# KiCad board oibus-mini-CCC_PANEL.kicad_pcb (continued)
## Nets (continued)
+BATT: BT1.1 BT1#2.1 BT1#3.1 BT1#4.1 BT1#5.1 BT1#6.1 BT1#7.1 BT1#8.1 BT1#9.1 BT1#10.1 BT1#11.1 BT1#12.1 BT1#13.1 BT1#14.1 BT1#15.1 BT1#16.1 BT1#17.1 BT1#18.1 BT1#19.1 BT1#20.1 BT1#21.1 BT1#22.1 BT1#23.1 BT1#24.1 BT1#25.1 BT1#26.1 BT1#27.1 BT1#28.1 BT1#29.1 BT1#30.1 BT1#31.1 BT1#32.1 C8.2 C8#2.2 C8#3.2 C8#4.2 C8#5.2 C8#6.2 C8#7.2 C8#8.2 C8#9.2 C8#10.2 C8#11.2 C8#12.2 C8#13.2 C8#14.2 C8#15.2 C8#16.2 C8#17.2 C8#18.2 C8#19.2 C8#20.2 C8#21.2 C8#22.2 C8#23.2 C8#24.2 C8#25.2 C8#26.2 C8#27.2 C8#28.2 C8#29.2 C8#30.2 C8#31.2 C8#32.2 C24.2 C24#2.2 C24#3.2 C24#4.2 C24#5.2 C24#6.2 C24#7.2 C24#8.2 C24#9.2 C24#10.2 C24#11.2 C24#12.2 C24#13.2 C24#14.2 C24#15.2 C24#16.2 C24#17.2 C24#18.2 C24#19.2 C24#20.2 C24#21.2 C24#22.2 C24#23.2 C24#24.2 C24#25.2 C24#26.2 C24#27.2 C24#28.2 C24#29.2 C24#30.2 C24#31.2 C24#32.2 Q1.2 Q1#2.2 Q1#3.2 Q1#4.2 Q1#5.2 Q1#6.2 Q1#7.2 Q1#8.2 Q1#9.2 Q1#10.2 Q1#11.2 Q1#12.2 Q1#13.2 Q1#14.2 Q1#15.2 Q1#16.2 Q1#17.2 Q1#18.2 Q1#19.2 Q1#20.2 Q1#21.2 Q1#22.2 Q1#23.2 Q1#24.2 Q1#25.2 Q1#26.2 Q1#27.2 Q1#28.2 Q1#29.2 Q1#30.2 Q1#31.2 Q1#32.2 R6.1 R6#2.1 R6#3.1 R6#4.1 R6#5.1 R6#6.1 R6#7.1 R6#8.1 R6#9.1 R6#10.1 R6#11.1 R6#12.1 R6#13.1 R6#14.1 R6#15.1 R6#16.1 R6#17.1 R6#18.1 R6#19.1 R6#20.1 R6#21.1 R6#22.1 R6#23.1 R6#24.1 R6#25.1 R6#26.1 R6#27.1 R6#28.1 R6#29.1 R6#30.1 R6#31.1 R6#32.1 R13.1 R13#2.1 R13#3.1 R13#4.1 R13#5.1 R13#6.1 R13#7.1 R13#8.1 R13#9.1 R13#10.1 R13#11.1 R13#12.1 R13#13.1 R13#14.1 R13#15.1 R13#16.1 R13#17.1 R13#18.1 R13#19.1 R13#20.1 R13#21.1 R13#22.1 R13#23.1 R13#24.1 R13#25.1 R13#26.1 R13#27.1 R13#28.1 R13#29.1 R13#30.1 R13#31.1 R13#32.1 U4.3 U4#2.3 U4#3.3 U4#4.3 U4#5.3 U4#6.3 U4#7.3 U4#8.3 U4#9.3 U4#10.3 U4#11.3 U4#12.3 U4#13.3 U4#14.3 U4#15.3 U4#16.3 U4#17.3 U4#18.3 U4#19.3 U4#20.3 U4#21.3 U4#22.3 U4#23.3 U4#24.3 U4#25.3 U4#26.3 U4#27.3 U4#28.3 U4#29.3 U4#30.3 U4#31.3 U4#32.3
/BAT_MEAS: C12.2 C12#2.2 C12#3.2 C12#4.2 C12#5.2 C12#6.2 C12#7.2 C12#8.2 C12#9.2 C12#10.2 C12#11.2 C12#12.2 C12#13.2 C12#14.2 C12#15.2 C12#16.2 C12#17.2 C12#18.2 C12#19.2 C12#20.2 C12#21.2 C12#22.2 C12#23.2 C12#24.2 C12#25.2 C12#26.2 C12#27.2 C12#28.2 C12#29.2 C12#30.2 C12#31.2 C12#32.2 R6.2 R6#2.2 R6#3.2 R6#4.2 R6#5.2 R6#6.2 R6#7.2 R6#8.2 R6#9.2 R6#10.2 R6#11.2 R6#12.2 R6#13.2 R6#14.2 R6#15.2 R6#16.2 R6#17.2 R6#18.2 R6#19.2 R6#20.2 R6#21.2 R6#22.2 R6#23.2 R6#24.2 R6#25.2 R6#26.2 R6#27.2 R6#28.2 R6#29.2 R6#30.2 R6#31.2 R6#32.2 R7.1 R7#2.1 R7#3.1 R7#4.1 R7#5.1 R7#6.1 R7#7.1 R7#8.1 R7#9.1 R7#10.1 R7#11.1 R7#12.1 R7#13.1 R7#14.1 R7#15.1 R7#16.1 R7#17.1 R7#18.1 R7#19.1 R7#20.1 R7#21.1 R7#22.1 R7#23.1 R7#24.1 R7#25.1 R7#26.1 R7#27.1 R7#28.1 R7#29.1 R7#30.1 R7#31.1 R7#32.1 U8.17 U8#2.17 U8#3.17 U8#4.17 U8#5.17 U8#6.17 U8#7.17 U8#8.17 U8#9.17 U8#10.17 U8#11.17 U8#12.17 U8#13.17 U8#14.17 U8#15.17 U8#16.17 U8#17.17 U8#18.17 U8#19.17 U8#20.17 U8#21.17 U8#22.17 U8#23.17 U8#24.17 U8#25.17 U8#26.17 U8#27.17 U8#28.17 U8#29.17 U8#30.17 U8#31.17 U8#32.17
/BLUE: R15.1 R15#2.1 R15#3.1 R15#4.1 R15#5.1 R15#6.1 R15#7.1 R15#8.1 R15#9.1 R15#10.1 R15#11.1 R15#12.1 R15#13.1 R15#14.1 R15#15.1 R15#16.1 R15#17.1 R15#18.1 R15#19.1 R15#20.1 R15#21.1 R15#22.1 R15#23.1 R15#24.1 R15#25.1 R15#26.1 R15#27.1 R15#28.1 R15#29.1 R15#30.1 R15#31.1 R15#32.1 U8.16 U8#2.16 U8#3.16 U8#4.16 U8#5.16 U8#6.16 U8#7.16 U8#8.16 U8#9.16 U8#10.16 U8#11.16 U8#12.16 U8#13.16 U8#14.16 U8#15.16 U8#16.16 U8#17.16 U8#18.16 U8#19.16 U8#20.16 U8#21.16 U8#22.16 U8#23.16 U8#24.16 U8#25.16 U8#26.16 U8#27.16 U8#28.16 U8#29.16 U8#30.16 U8#31.16 U8#32.16
/BOOT: R18.1 R18#2.1 R18#3.1 R18#4.1 R18#5.1 R18#6.1 R18#7.1 R18#8.1 R18#9.1 R18#10.1 R18#11.1 R18#12.1 R18#13.1 R18#14.1 R18#15.1 R18#16.1 R18#17.1 R18#18.1 R18#19.1 R18#20.1 R18#21.1 R18#22.1 R18#23.1 R18#24.1 R18#25.1 R18#26.1 R18#27.1 R18#28.1 R18#29.1 R18#30.1 R18#31.1 R18#32.1 SW1.1 SW1#2.1 SW1#3.1 SW1#4.1 SW1#5.1 SW1#6.1 SW1#7.1 SW1#8.1 SW1#9.1 SW1#10.1 SW1#11.1 SW1#12.1 SW1#13.1 SW1#14.1 SW1#15.1 SW1#16.1 SW1#17.1 SW1#18.1 SW1#19.1 SW1#20.1 SW1#21.1 SW1#22.1 SW1#23.1 SW1#24.1 SW1#25.1 SW1#26.1 SW1#27.1 SW1#28.1 SW1#29.1 SW1#30.1 SW1#31.1 SW1#32.1 U8.44 U8#2.44 U8#3.44 U8#4.44 U8#5.44 U8#6.44 U8#7.44 U8#8.44 U8#9.44 U8#10.44 U8#11.44 U8#12.44 U8#13.44 U8#14.44 U8#15.44 U8#16.44 U8#17.44 U8#18.44 U8#19.44 U8#20.44 U8#21.44 U8#22.44 U8#23.44 U8#24.44 U8#25.44 U8#26.44 U8#27.44 U8#28.44 U8#29.44 U8#30.44 U8#31.44 U8#32.44
/CAN_H: D6.1 D6#2.1 D6#3.1 D6#4.1 D6#5.1 D6#6.1 D6#7.1 D6#8.1 D6#9.1 D6#10.1 D6#11.1 D6#12.1 D6#13.1 D6#14.1 D6#15.1 D6#16.1 D6#17.1 D6#18.1 D6#19.1 D6#20.1 D6#21.1 D6#22.1 D6#23.1 D6#24.1 D6#25.1 D6#26.1 D6#27.1 D6#28.1 D6#29.1 D6#30.1 D6#31.1 D6#32.1 H2.11 H2#2.11 H2#3.11 H2#4.11 H2#5.11 H2#6.11 H2#7.11 H2#8.11 H2#9.11 H2#10.11 H2#11.11 H2#12.11 H2#13.11 H2#14.11 H2#15.11 H2#16.11 H2#17.11 H2#18.11 H2#19.11 H2#20.11 H2#21.11 H2#22.11 H2#23.11 H2#24.11 H2#25.11 H2#26.11 H2#27.11 H2#28.11 H2#29.11 H2#30.11 H2#31.11 H2#32.11 J3.3 J3#2.3 J3#3.3 J3#4.3 J3#5.3 J3#6.3 J3#7.3 J3#8.3 J3#9.3 J3#10.3 J3#11.3 J3#12.3 J3#13.3 J3#14.3 J3#15.3 J3#16.3 J3#17.3 J3#18.3 J3#19.3 J3#20.3 J3#21.3 J3#22.3 J3#23.3 J3#24.3 J3#25.3 J3#26.3 J3#27.3 J3#28.3 J3#29.3 J3#30.3 J3#31.3 J3#32.3 R19.1 R19#2.1 R19#3.1 R19#4.1 R19#5.1 R19#6.1 R19#7.1 R19#8.1 R19#9.1 R19#10.1 R19#11.1 R19#12.1 R19#13.1 R19#14.1 R19#15.1 R19#16.1 R19#17.1 R19#18.1 R19#19.1 R19#20.1 R19#21.1 R19#22.1 R19#23.1 R19#24.1 R19#25.1 R19#26.1 R19#27.1 R19#28.1 R19#29.1 R19#30.1 R19#31.1 R19#32.1 U7.7 U7#2.7 U7#3.7 U7#4.7 U7#5.7 U7#6.7 U7#7.7 U7#8.7 U7#9.7 U7#10.7 U7#11.7 U7#12.7 U7#13.7 U7#14.7 U7#15.7 U7#16.7 U7#17.7 U7#18.7 U7#19.7 U7#20.7 U7#21.7 U7#22.7 U7#23.7 U7#24.7 U7#25.7 U7#26.7 U7#27.7 U7#28.7 U7#29.7 U7#30.7 U7#31.7 U7#32.7
/CAN_L: D6.2 D6#2.2 D6#3.2 D6#4.2 D6#5.2 D6#6.2 D6#7.2 D6#8.2 D6#9.2 D6#10.2 D6#11.2 D6#12.2 D6#13.2 D6#14.2 D6#15.2 D6#16.2 D6#17.2 D6#18.2 D6#19.2 D6#20.2 D6#21.2 D6#22.2 D6#23.2 D6#24.2 D6#25.2 D6#26.2 D6#27.2 D6#28.2 D6#29.2 D6#30.2 D6#31.2 D6#32.2 H2.12 H2#2.12 H2#3.12 H2#4.12 H2#5.12 H2#6.12 H2#7.12 H2#8.12 H2#9.12 H2#10.12 H2#11.12 H2#12.12 H2#13.12 H2#14.12 H2#15.12 H2#16.12 H2#17.12 H2#18.12 H2#19.12 H2#20.12 H2#21.12 H2#22.12 H2#23.12 H2#24.12 H2#25.12 H2#26.12 H2#27.12 H2#28.12 H2#29.12 H2#30.12 H2#31.12 H2#32.12 J3.4 J3#2.4 J3#3.4 J3#4.4 J3#5.4 J3#6.4 J3#7.4 J3#8.4 J3#9.4 J3#10.4 J3#11.4 J3#12.4 J3#13.4 J3#14.4 J3#15.4 J3#16.4 J3#17.4 J3#18.4 J3#19.4 J3#20.4 J3#21.4 J3#22.4 J3#23.4 J3#24.4 J3#25.4 J3#26.4 J3#27.4 J3#28.4 J3#29.4 J3#30.4 J3#31.4 J3#32.4 R20.2 R20#2.2 R20#3.2 R20#4.2 R20#5.2 R20#6.2 R20#7.2 R20#8.2 R20#9.2 R20#10.2 R20#11.2 R20#12.2 R20#13.2 R20#14.2 R20#15.2 R20#16.2 R20#17.2 R20#18.2 R20#19.2 R20#20.2 R20#21.2 R20#22.2 R20#23.2 R20#24.2 R20#25.2 R20#26.2 R20#27.2 R20#28.2 R20#29.2 R20#30.2 R20#31.2 R20#32.2 U7.6 U7#2.6 U7#3.6 U7#4.6 U7#5.6 U7#6.6 U7#7.6 U7#8.6 U7#9.6 U7#10.6 U7#11.6 U7#12.6 U7#13.6 U7#14.6 U7#15.6 U7#16.6 U7#17.6 U7#18.6 U7#19.6 U7#20.6 U7#21.6 U7#22.6 U7#23.6 U7#24.6 U7#25.6 U7#26.6 U7#27.6 U7#28.6 U7#29.6 U7#30.6 U7#31.6 U7#32.6
/CAN_LED: R9.1 R9#2.1 R9#3.1 R9#4.1 R9#5.1 R9#6.1 R9#7.1 R9#8.1 R9#9.1 R9#10.1 R9#11.1 R9#12.1 R9#13.1 R9#14.1 R9#15.1 R9#16.1 R9#17.1 R9#18.1 R9#19.1 R9#20.1 R9#21.1 R9#22.1 R9#23.1 R9#24.1 R9#25.1 R9#26.1 R9#27.1 R9#28.1 R9#29.1 R9#30.1 R9#31.1 R9#32.1 U8.2 U8#2.2 U8#3.2 U8#4.2 U8#5.2 U8#6.2 U8#7.2 U8#8.2 U8#9.2 U8#10.2 U8#11.2 U8#12.2 U8#13.2 U8#14.2 U8#15.2 U8#16.2 U8#17.2 U8#18.2 U8#19.2 U8#20.2 U8#21.2 U8#22.2 U8#23.2 U8#24.2 U8#25.2 U8#26.2 U8#27.2 U8#28.2 U8#29.2 U8#30.2 U8#31.2 U8#32.2
/CAN_RX: U7.4 U7#2.4 U7#3.4 U7#4.4 U7#5.4 U7#6.4 U7#7.4 U7#8.4 U7#9.4 U7#10.4 U7#11.4 U7#12.4 U7#13.4 U7#14.4 U7#15.4 U7#16.4 U7#17.4 U7#18.4 U7#19.4 U7#20.4 U7#21.4 U7#22.4 U7#23.4 U7#24.4 U7#25.4 U7#26.4 U7#27.4 U7#28.4 U7#29.4 U7#30.4 U7#31.4 U7#32.4 U8.45 U8#2.45 U8#3.45 U8#4.45 U8#5.45 U8#6.45 U8#7.45 U8#8.45 U8#9.45 U8#10.45 U8#11.45 U8#12.45 U8#13.45 U8#14.45 U8#15.45 U8#16.45 U8#17.45 U8#18.45 U8#19.45 U8#20.45 U8#21.45 U8#22.45 U8#23.45 U8#24.45 U8#25.45 U8#26.45 U8#27.45 U8#28.45 U8#29.45 U8#30.45 U8#31.45 U8#32.45
/CAN_SHDN: U7.5 U7#2.5 U7#3.5 U7#4.5 U7#5.5 U7#6.5 U7#7.5 U7#8.5 U7#9.5 U7#10.5 U7#11.5 U7#12.5 U7#13.5 U7#14.5 U7#15.5 U7#16.5 U7#17.5 U7#18.5 U7#19.5 U7#20.5 U7#21.5 U7#22.5 U7#23.5 U7#24.5 U7#25.5 U7#26.5 U7#27.5 U7#28.5 U7#29.5 U7#30.5 U7#31.5 U7#32.5 U8.41 U8#2.41 U8#3.41 U8#4.41 U8#5.41 U8#6.41 U8#7.41 U8#8.41 U8#9.41 U8#10.41 U8#11.41 U8#12.41 U8#13.41 U8#14.41 U8#15.41 U8#16.41 U8#17.41 U8#18.41 U8#19.41 U8#20.41 U8#21.41 U8#22.41 U8#23.41 U8#24.41 U8#25.41 U8#26.41 U8#27.41 U8#28.41 U8#29.41 U8#30.41 U8#31.41 U8#32.41
/CAN_SILENT: U7.8 U7#2.8 U7#3.8 U7#4.8 U7#5.8 U7#6.8 U7#7.8 U7#8.8 U7#9.8 U7#10.8 U7#11.8 U7#12.8 U7#13.8 U7#14.8 U7#15.8 U7#16.8 U7#17.8 U7#18.8 U7#19.8 U7#20.8 U7#21.8 U7#22.8 U7#23.8 U7#24.8 U7#25.8 U7#26.8 U7#27.8 U7#28.8 U7#29.8 U7#30.8 U7#31.8 U7#32.8 U8.40 U8#2.40 U8#3.40 U8#4.40 U8#5.40 U8#6.40 U8#7.40 U8#8.40 U8#9.40 U8#10.40 U8#11.40 U8#12.40 U8#13.40 U8#14.40 U8#15.40 U8#16.40 U8#17.40 U8#18.40 U8#19.40 U8#20.40 U8#21.40 U8#22.40 U8#23.40 U8#24.40 U8#25.40 U8#26.40 U8#27.40 U8#28.40 U8#29.40 U8#30.40 U8#31.40 U8#32.40
/CAN_TX: U7.1 U7#2.1 U7#3.1 U7#4.1 U7#5.1 U7#6.1 U7#7.1 U7#8.1 U7#9.1 U7#10.1 U7#11.1 U7#12.1 U7#13.1 U7#14.1 U7#15.1 U7#16.1 U7#17.1 U7#18.1 U7#19.1 U7#20.1 U7#21.1 U7#22.1 U7#23.1 U7#24.1 U7#25.1 U7#26.1 U7#27.1 U7#28.1 U7#29.1 U7#30.1 U7#31.1 U7#32.1 U8.46 U8#2.46 U8#3.46 U8#4.46 U8#5.46 U8#6.46 U8#7.46 U8#8.46 U8#9.46 U8#10.46 U8#11.46 U8#12.46 U8#13.46 U8#14.46 U8#15.46 U8#16.46 U8#17.46 U8#18.46 U8#19.46 U8#20.46 U8#21.46 U8#22.46 U8#23.46 U8#24.46 U8#25.46 U8#26.46 U8#27.46 U8#28.46 U8#29.46 U8#30.46 U8#31.46 U8#32.46
/GPS_TIME: U2.7 U2#2.7 U2#3.7 U2#4.7 U2#5.7 U2#6.7 U2#7.7 U2#8.7 U2#9.7 U2#10.7 U2#11.7 U2#12.7 U2#13.7 U2#14.7 U2#15.7 U2#16.7 U2#17.7 U2#18.7 U2#19.7 U2#20.7 U2#21.7 U2#22.7 U2#23.7 U2#24.7 U2#25.7 U2#26.7 U2#27.7 U2#28.7 U2#29.7 U2#30.7 U2#31.7 U2#32.7 U8.20 U8#2.20 U8#3.20 U8#4.20 U8#5.20 U8#6.20 U8#7.20 U8#8.20 U8#9.20 U8#10.20 U8#11.20 U8#12.20 U8#13.20 U8#14.20 U8#15.20 U8#16.20 U8#17.20 U8#18.20 U8#19.20 U8#20.20 U8#21.20 U8#22.20 U8#23.20 U8#24.20 U8#25.20 U8#26.20 U8#27.20 U8#28.20 U8#29.20 U8#30.20 U8#31.20 U8#32.20
/GREEN: R16.1 R16#2.1 R16#3.1 R16#4.1 R16#5.1 R16#6.1 R16#7.1 R16#8.1 R16#9.1 R16#10.1 R16#11.1 R16#12.1 R16#13.1 R16#14.1 R16#15.1 R16#16.1 R16#17.1 R16#18.1 R16#19.1 R16#20.1 R16#21.1 R16#22.1 R16#23.1 R16#24.1 R16#25.1 R16#26.1 R16#27.1 R16#28.1 R16#29.1 R16#30.1 R16#31.1 R16#32.1 U8.19 U8#2.19 U8#3.19 U8#4.19 U8#5.19 U8#6.19 U8#7.19 U8#8.19 U8#9.19 U8#10.19 U8#11.19 U8#12.19 U8#13.19 U8#14.19 U8#15.19 U8#16.19 U8#17.19 U8#18.19 U8#19.19 U8#20.19 U8#21.19 U8#22.19 U8#23.19 U8#24.19 U8#25.19 U8#26.19 U8#27.19 U8#28.19 U8#29.19 U8#30.19 U8#31.19 U8#32.19
/on_off: C13.1 C13#2.1 C13#3.1 C13#4.1 C13#5.1 C13#6.1 C13#7.1 C13#8.1 C13#9.1 C13#10.1 C13#11.1 C13#12.1 C13#13.1 C13#14.1 C13#15.1 C13#16.1 C13#17.1 C13#18.1 C13#19.1 C13#20.1 C13#21.1 C13#22.1 C13#23.1 C13#24.1 C13#25.1 C13#26.1 C13#27.1 C13#28.1 C13#29.1 C13#30.1 C13#31.1 C13#32.1 SW2.1 SW2#2.1 SW2#3.1 SW2#4.1 SW2#5.1 SW2#6.1 SW2#7.1 SW2#8.1 SW2#9.1 SW2#10.1 SW2#11.1 SW2#12.1 SW2#13.1 SW2#14.1 SW2#15.1 SW2#16.1 SW2#17.1 SW2#18.1 SW2#19.1 SW2#20.1 SW2#21.1 SW2#22.1 SW2#23.1 SW2#24.1 SW2#25.1 SW2#26.1 SW2#27.1 SW2#28.1 SW2#29.1 SW2#30.1 SW2#31.1 SW2#32.1 U8.29 U8#2.29 U8#3.29 U8#4.29 U8#5.29 U8#6.29 U8#7.29 U8#8.29 U8#9.29 U8#10.29 U8#11.29 U8#12.29 U8#13.29 U8#14.29 U8#15.29 U8#16.29 U8#17.29 U8#18.29 U8#19.29 U8#20.29 U8#21.29 U8#22.29 U8#23.29 U8#24.29 U8#25.29 U8#26.29 U8#27.29 U8#28.29 U8#29.29 U8#30.29 U8#31.29 U8#32.29
/RED: R17.1 R17#2.1 R17#3.1 R17#4.1 R17#5.1 R17#6.1 R17#7.1 R17#8.1 R17#9.1 R17#10.1 R17#11.1 R17#12.1 R17#13.1 R17#14.1 R17#15.1 R17#16.1 R17#17.1 R17#18.1 R17#19.1 R17#20.1 R17#21.1 R17#22.1 R17#23.1 R17#24.1 R17#25.1 R17#26.1 R17#27.1 R17#28.1 R17#29.1 R17#30.1 R17#31.1 R17#32.1 U8.18 U8#2.18 U8#3.18 U8#4.18 U8#5.18 U8#6.18 U8#7.18 U8#8.18 U8#9.18 U8#10.18 U8#11.18 U8#12.18 U8#13.18 U8#14.18 U8#15.18 U8#16.18 U8#17.18 U8#18.18 U8#19.18 U8#20.18 U8#21.18 U8#22.18 U8#23.18 U8#24.18 U8#25.18 U8#26.18 U8#27.18 U8#28.18 U8#29.18 U8#30.18 U8#31.18 U8#32.18
/SCL: H2.6 H2#2.6 H2#3.6 H2#4.6 H2#5.6 H2#6.6 H2#7.6 H2#8.6 H2#9.6 H2#10.6 H2#11.6 H2#12.6 H2#13.6 H2#14.6 H2#15.6 H2#16.6 H2#17.6 H2#18.6 H2#19.6 H2#20.6 H2#21.6 H2#22.6 H2#23.6 H2#24.6 H2#25.6 H2#26.6 H2#27.6 H2#28.6 H2#29.6 H2#30.6 H2#31.6 H2#32.6 R11.2 R11#2.2 R11#3.2 R11#4.2 R11#5.2 R11#6.2 R11#7.2 R11#8.2 R11#9.2 R11#10.2 R11#11.2 R11#12.2 R11#13.2 R11#14.2 R11#15.2 R11#16.2 R11#17.2 R11#18.2 R11#19.2 R11#20.2 R11#21.2 R11#22.2 R11#23.2 R11#24.2 R11#25.2 R11#26.2 R11#27.2 R11#28.2 R11#29.2 R11#30.2 R11#31.2 R11#32.2 U6.4 U6#2.4 U6#3.4 U6#4.4 U6#5.4 U6#6.4 U6#7.4 U6#8.4 U6#9.4 U6#10.4 U6#11.4 U6#12.4 U6#13.4 U6#14.4 U6#15.4 U6#16.4 U6#17.4 U6#18.4 U6#19.4 U6#20.4 U6#21.4 U6#22.4 U6#23.4 U6#24.4 U6#25.4 U6#26.4 U6#27.4 U6#28.4 U6#29.4 U6#30.4 U6#31.4 U6#32.4 U8.42 U8#2.42 U8#3.42 U8#4.42 U8#5.42 U8#6.42 U8#7.42 U8#8.42 U8#9.42 U8#10.42 U8#11.42 U8#12.42 U8#13.42 U8#14.42 U8#15.42 U8#16.42 U8#17.42 U8#18.42 U8#19.42 U8#20.42 U8#21.42 U8#22.42 U8#23.42 U8#24.42 U8#25.42 U8#26.42 U8#27.42 U8#28.42 U8#29.42 U8#30.42 U8#31.42 U8#32.42
/SDA: H2.5 H2#2.5 H2#3.5 H2#4.5 H2#5.5 H2#6.5 H2#7.5 H2#8.5 H2#9.5 H2#10.5 H2#11.5 H2#12.5 H2#13.5 H2#14.5 H2#15.5 H2#16.5 H2#17.5 H2#18.5 H2#19.5 H2#20.5 H2#21.5 H2#22.5 H2#23.5 H2#24.5 H2#25.5 H2#26.5 H2#27.5 H2#28.5 H2#29.5 H2#30.5 H2#31.5 H2#32.5 R10.2 R10#2.2 R10#3.2 R10#4.2 R10#5.2 R10#6.2 R10#7.2 R10#8.2 R10#9.2 R10#10.2 R10#11.2 R10#12.2 R10#13.2 R10#14.2 R10#15.2 R10#16.2 R10#17.2 R10#18.2 R10#19.2 R10#20.2 R10#21.2 R10#22.2 R10#23.2 R10#24.2 R10#25.2 R10#26.2 R10#27.2 R10#28.2 R10#29.2 R10#30.2 R10#31.2 R10#32.2 U6.1 U6#2.1 U6#3.1 U6#4.1 U6#5.1 U6#6.1 U6#7.1 U6#8.1 U6#9.1 U6#10.1 U6#11.1 U6#12.1 U6#13.1 U6#14.1 U6#15.1 U6#16.1 U6#17.1 U6#18.1 U6#19.1 U6#20.1 U6#21.1 U6#22.1 U6#23.1 U6#24.1 U6#25.1 U6#26.1 U6#27.1 U6#28.1 U6#29.1 U6#30.1 U6#31.1 U6#32.1 U8.43 U8#2.43 U8#3.43 U8#4.43 U8#5.43 U8#6.43 U8#7.43 U8#8.43 U8#9.43 U8#10.43 U8#11.43 U8#12.43 U8#13.43 U8#14.43 U8#15.43 U8#16.43 U8#17.43 U8#18.43 U8#19.43 U8#20.43 U8#21.43 U8#22.43 U8#23.43 U8#24.43 U8#25.43 U8#26.43 U8#27.43 U8#28.43 U8#29.43 U8#30.43 U8#31.43 U8#32.43
/SPI_MISO: H2.8 H2#2.8 H2#3.8 H2#4.8 H2#5.8 H2#6.8 H2#7.8 H2#8.8 H2#9.8 H2#10.8 H2#11.8 H2#12.8 H2#13.8 H2#14.8 H2#15.8 H2#16.8 H2#17.8 H2#18.8 H2#19.8 H2#20.8 H2#21.8 H2#22.8 H2#23.8 H2#24.8 H2#25.8 H2#26.8 H2#27.8 H2#28.8 H2#29.8 H2#30.8 H2#31.8 H2#32.8 U8.27 U8#2.27 U8#3.27 U8#4.27 U8#5.27 U8#6.27 U8#7.27 U8#8.27 U8#9.27 U8#10.27 U8#11.27 U8#12.27 U8#13.27 U8#14.27 U8#15.27 U8#16.27 U8#17.27 U8#18.27 U8#19.27 U8#20.27 U8#21.27 U8#22.27 U8#23.27 U8#24.27 U8#25.27 U8#26.27 U8#27.27 U8#28.27 U8#29.27 U8#30.27 U8#31.27 U8#32.27
/SPI_MOSI: H2.7 H2#2.7 H2#3.7 H2#4.7 H2#5.7 H2#6.7 H2#7.7 H2#8.7 H2#9.7 H2#10.7 H2#11.7 H2#12.7 H2#13.7 H2#14.7 H2#15.7 H2#16.7 H2#17.7 H2#18.7 H2#19.7 H2#20.7 H2#21.7 H2#22.7 H2#23.7 H2#24.7 H2#25.7 H2#26.7 H2#27.7 H2#28.7 H2#29.7 H2#30.7 H2#31.7 H2#32.7 U8.28 U8#2.28 U8#3.28 U8#4.28 U8#5.28 U8#6.28 U8#7.28 U8#8.28 U8#9.28 U8#10.28 U8#11.28 U8#12.28 U8#13.28 U8#14.28 U8#15.28 U8#16.28 U8#17.28 U8#18.28 U8#19.28 U8#20.28 U8#21.28 U8#22.28 U8#23.28 U8#24.28 U8#25.28 U8#26.28 U8#27.28 U8#28.28 U8#29.28 U8#30.28 U8#31.28 U8#32.28
/SPI_SCK: H2.9 H2#2.9 H2#3.9 H2#4.9 H2#5.9 H2#6.9 H2#7.9 H2#8.9 H2#9.9 H2#10.9 H2#11.9 H2#12.9 H2#13.9 H2#14.9 H2#15.9 H2#16.9 H2#17.9 H2#18.9 H2#19.9 H2#20.9 H2#21.9 H2#22.9 H2#23.9 H2#24.9 H2#25.9 H2#26.9 H2#27.9 H2#28.9 H2#29.9 H2#30.9 H2#31.9 H2#32.9 U8.26 U8#2.26 U8#3.26 U8#4.26 U8#5.26 U8#6.26 U8#7.26 U8#8.26 U8#9.26 U8#10.26 U8#11.26 U8#12.26 U8#13.26 U8#14.26 U8#15.26 U8#16.26 U8#17.26 U8#18.26 U8#19.26 U8#20.26 U8#21.26 U8#22.26 U8#23.26 U8#24.26 U8#25.26 U8#26.26 U8#27.26 U8#28.26 U8#29.26 U8#30.26 U8#31.26 U8#32.26
/SPS_TX_EXT: J1.2 J1#2.2 J1#3.2 J1#4.2 J1#5.2 J1#6.2 J1#7.2 J1#8.2 J1#9.2 J1#10.2 J1#11.2 J1#12.2 J1#13.2 J1#14.2 J1#15.2 J1#16.2 J1#17.2 J1#18.2 J1#19.2 J1#20.2 J1#21.2 J1#22.2 J1#23.2 J1#24.2 J1#25.2 J1#26.2 J1#27.2 J1#28.2 J1#29.2 J1#30.2 J1#31.2 J1#32.2 R22.1 R22#2.1 R22#3.1 R22#4.1 R22#5.1 R22#6.1 R22#7.1 R22#8.1 R22#9.1 R22#10.1 R22#11.1 R22#12.1 R22#13.1 R22#14.1 R22#15.1 R22#16.1 R22#17.1 R22#18.1 R22#19.1 R22#20.1 R22#21.1 R22#22.1 R22#23.1 R22#24.1 R22#25.1 R22#26.1 R22#27.1 R22#28.1 R22#29.1 R22#30.1 R22#31.1 R22#32.1 R25.2 R25#2.2 R25#3.2 R25#4.2 R25#5.2 R25#6.2 R25#7.2 R25#8.2 R25#9.2 R25#10.2 R25#11.2 R25#12.2 R25#13.2 R25#14.2 R25#15.2 R25#16.2 R25#17.2 R25#18.2 R25#19.2 R25#20.2 R25#21.2 R25#22.2 R25#23.2 R25#24.2 R25#25.2 R25#26.2 R25#27.2 R25#28.2 R25#29.2 R25#30.2 R25#31.2 R25#32.2
/SWDCLK: P1.5 P1#2.5 P1#3.5 P1#4.5 P1#5.5 P1#6.5 P1#7.5 P1#8.5 P1#9.5 P1#10.5 P1#11.5 P1#12.5 P1#13.5 P1#14.5 P1#15.5 P1#16.5 P1#17.5 P1#18.5 P1#19.5 P1#20.5 P1#21.5 P1#22.5 P1#23.5 P1#24.5 P1#25.5 P1#26.5 P1#27.5 P1#28.5 P1#29.5 P1#30.5 P1#31.5 P1#32.5 U8.37 U8#2.37 U8#3.37 U8#4.37 U8#5.37 U8#6.37 U8#7.37 U8#8.37 U8#9.37 U8#10.37 U8#11.37 U8#12.37 U8#13.37 U8#14.37 U8#15.37 U8#16.37 U8#17.37 U8#18.37 U8#19.37 U8#20.37 U8#21.37 U8#22.37 U8#23.37 U8#24.37 U8#25.37 U8#26.37 U8#27.37 U8#28.37 U8#29.37 U8#30.37 U8#31.37 U8#32.37
/SWDIO: P1.4 P1#2.4 P1#3.4 P1#4.4 P1#5.4 P1#6.4 P1#7.4 P1#8.4 P1#9.4 P1#10.4 P1#11.4 P1#12.4 P1#13.4 P1#14.4 P1#15.4 P1#16.4 P1#17.4 P1#18.4 P1#19.4 P1#20.4 P1#21.4 P1#22.4 P1#23.4 P1#24.4 P1#25.4 P1#26.4 P1#27.4 P1#28.4 P1#29.4 P1#30.4 P1#31.4 P1#32.4 U8.34 U8#2.34 U8#3.34 U8#4.34 U8#5.34 U8#6.34 U8#7.34 U8#8.34 U8#9.34 U8#10.34 U8#11.34 U8#12.34 U8#13.34 U8#14.34 U8#15.34 U8#16.34 U8#17.34 U8#18.34 U8#19.34 U8#20.34 U8#21.34 U8#22.34 U8#23.34 U8#24.34 U8#25.34 U8#26.34 U8#27.34 U8#28.34 U8#29.34 U8#30.34 U8#31.34 U8#32.34
/SWDSWO: P1.6 P1#2.6 P1#3.6 P1#4.6 P1#5.6 P1#6.6 P1#7.6 P1#8.6 P1#9.6 P1#10.6 P1#11.6 P1#12.6 P1#13.6 P1#14.6 P1#15.6 P1#16.6 P1#17.6 P1#18.6 P1#19.6 P1#20.6 P1#21.6 P1#22.6 P1#23.6 P1#24.6 P1#25.6 P1#26.6 P1#27.6 P1#28.6 P1#29.6 P1#30.6 P1#31.6 P1#32.6 U8.39 U8#2.39 U8#3.39 U8#4.39 U8#5.39 U8#6.39 U8#7.39 U8#8.39 U8#9.39 U8#10.39 U8#11.39 U8#12.39 U8#13.39 U8#14.39 U8#15.39 U8#16.39 U8#17.39 U8#18.39 U8#19.39 U8#20.39 U8#21.39 U8#22.39 U8#23.39 U8#24.39 U8#25.39 U8#26.39 U8#27.39 U8#28.39 U8#29.39 U8#30.39 U8#31.39 U8#32.39
/USB_DM: J2.2 J2#2.2 J2#3.2 J2#4.2 J2#5.2 J2#6.2 J2#7.2 J2#8.2 J2#9.2 J2#10.2 J2#11.2 J2#12.2 J2#13.2 J2#14.2 J2#15.2 J2#16.2 J2#17.2 J2#18.2 J2#19.2 J2#20.2 J2#21.2 J2#22.2 J2#23.2 J2#24.2 J2#25.2 J2#26.2 J2#27.2 J2#28.2 J2#29.2 J2#30.2 J2#31.2 J2#32.2 U8.32 U8#2.32 U8#3.32 U8#4.32 U8#5.32 U8#6.32 U8#7.32 U8#8.32 U8#9.32 U8#10.32 U8#11.32 U8#12.32 U8#13.32 U8#14.32 U8#15.32 U8#16.32 U8#17.32 U8#18.32 U8#19.32 U8#20.32 U8#21.32 U8#22.32 U8#23.32 U8#24.32 U8#25.32 U8#26.32 U8#27.32 U8#28.32 U8#29.32 U8#30.32 U8#31.32 U8#32.32 U10.1 U10#2.1 U10#3.1 U10#4.1 U10#5.1 U10#6.1 U10#7.1 U10#8.1 U10#9.1 U10#10.1 U10#11.1 U10#12.1 U10#13.1 U10#14.1 U10#15.1 U10#16.1 U10#17.1 U10#18.1 U10#19.1 U10#20.1 U10#21.1 U10#22.1 U10#23.1 U10#24.1 U10#25.1 U10#26.1 U10#27.1 U10#28.1 U10#29.1 U10#30.1 U10#31.1 U10#32.1
/USB_DP: J2.3 J2#2.3 J2#3.3 J2#4.3 J2#5.3 J2#6.3 J2#7.3 J2#8.3 J2#9.3 J2#10.3 J2#11.3 J2#12.3 J2#13.3 J2#14.3 J2#15.3 J2#16.3 J2#17.3 J2#18.3 J2#19.3 J2#20.3 J2#21.3 J2#22.3 J2#23.3 J2#24.3 J2#25.3 J2#26.3 J2#27.3 J2#28.3 J2#29.3 J2#30.3 J2#31.3 J2#32.3 R12.2 R12#2.2 R12#3.2 R12#4.2 R12#5.2 R12#6.2 R12#7.2 R12#8.2 R12#9.2 R12#10.2 R12#11.2 R12#12.2 R12#13.2 R12#14.2 R12#15.2 R12#16.2 R12#17.2 R12#18.2 R12#19.2 R12#20.2 R12#21.2 R12#22.2 R12#23.2 R12#24.2 R12#25.2 R12#26.2 R12#27.2 R12#28.2 R12#29.2 R12#30.2 R12#31.2 R12#32.2 U8.33 U8#2.33 U8#3.33 U8#4.33 U8#5.33 U8#6.33 U8#7.33 U8#8.33 U8#9.33 U8#10.33 U8#11.33 U8#12.33 U8#13.33 U8#14.33 U8#15.33 U8#16.33 U8#17.33 U8#18.33 U8#19.33 U8#20.33 U8#21.33 U8#22.33 U8#23.33 U8#24.33 U8#25.33 U8#26.33 U8#27.33 U8#28.33 U8#29.33 U8#30.33 U8#31.33 U8#32.33 U10.2 U10#2.2 U10#3.2 U10#4.2 U10#5.2 U10#6.2 U10#7.2 U10#8.2 U10#9.2 U10#10.2 U10#11.2 U10#12.2 U10#13.2 U10#14.2 U10#15.2 U10#16.2 U10#17.2 U10#18.2 U10#19.2 U10#20.2 U10#21.2 U10#22.2 U10#23.2 U10#24.2 U10#25.2 U10#26.2 U10#27.2 U10#28.2 U10#29.2 U10#30.2 U10#31.2 U10#32.2
/~{RESET}: C18.1 C18#2.1 C18#3.1 C18#4.1 C18#5.1 C18#6.1 C18#7.1 C18#8.1 C18#9.1 C18#10.1 C18#11.1 C18#12.1 C18#13.1 C18#14.1 C18#15.1 C18#16.1 C18#17.1 C18#18.1 C18#19.1 C18#20.1 C18#21.1 C18#22.1 C18#23.1 C18#24.1 C18#25.1 C18#26.1 C18#27.1 C18#28.1 C18#29.1 C18#30.1 C18#31.1 C18#32.1 P1.1 P1#2.1 P1#3.1 P1#4.1 P1#5.1 P1#6.1 P1#7.1 P1#8.1 P1#9.1 P1#10.1 P1#11.1 P1#12.1 P1#13.1 P1#14.1 P1#15.1 P1#16.1 P1#17.1 P1#18.1 P1#19.1 P1#20.1 P1#21.1 P1#22.1 P1#23.1 P1#24.1 P1#25.1 P1#26.1 P1#27.1 P1#28.1 P1#29.1 P1#30.1 P1#31.1 P1#32.1 U2.18 U2#2.18 U2#3.18 U2#4.18 U2#5.18 U2#6.18 U2#7.18 U2#8.18 U2#9.18 U2#10.18 U2#11.18 U2#12.18 U2#13.18 U2#14.18 U2#15.18 U2#16.18 U2#17.18 U2#18.18 U2#19.18 U2#20.18 U2#21.18 U2#22.18 U2#23.18 U2#24.18 U2#25.18 U2#26.18 U2#27.18 U2#28.18 U2#29.18 U2#30.18 U2#31.18 U2#32.18 U3.19 U3#2.19 U3#3.19 U3#4.19 U3#5.19 U3#6.19 U3#7.19 U3#8.19 U3#9.19 U3#10.19 U3#11.19 U3#12.19 U3#13.19 U3#14.19 U3#15.19 U3#16.19 U3#17.19 U3#18.19 U3#19.19 U3#20.19 U3#21.19 U3#22.19 U3#23.19 U3#24.19 U3#25.19 U3#26.19 U3#27.19 U3#28.19 U3#29.19 U3#30.19 U3#31.19 U3#32.19 U8.7 U8#2.7 U8#3.7 U8#4.7 U8#5.7 U8#6.7 U8#7.7 U8#8.7 U8#9.7 U8#10.7 U8#11.7 U8#12.7 U8#13.7 U8#14.7 U8#15.7 U8#16.7 U8#17.7 U8#18.7 U8#19.7 U8#20.7 U8#21.7 U8#22.7 U8#23.7 U8#24.7 U8#25.7 U8#26.7 U8#27.7 U8#28.7 U8#29.7 U8#30.7 U8#31.7 U8#32.7
/~{SPI_ADS_CS}: H2.10 H2#2.10 H2#3.10 H2#4.10 H2#5.10 H2#6.10 H2#7.10 H2#8.10 H2#9.10 H2#10.10 H2#11.10 H2#12.10 H2#13.10 H2#14.10 H2#15.10 H2#16.10 H2#17.10 H2#18.10 H2#19.10 H2#20.10 H2#21.10 H2#22.10 H2#23.10 H2#24.10 H2#25.10 H2#26.10 H2#27.10 H2#28.10 H2#29.10 H2#30.10 H2#31.10 H2#32.10 U8.25 U8#2.25 U8#3.25 U8#4.25 U8#5.25 U8#6.25 U8#7.25 U8#8.25 U8#9.25 U8#10.25 U8#11.25 U8#12.25 U8#13.25 U8#14.25 U8#15.25 U8#16.25 U8#17.25 U8#18.25 U8#19.25 U8#20.25 U8#21.25 U8#22.25 U8#23.25 U8#24.25 U8#25.25 U8#26.25 U8#27.25 U8#28.25 U8#29.25 U8#30.25 U8#31.25 U8#32.25
GPS_RX: FB1.1 FB1#2.1 FB1#3.1 FB1#4.1 FB1#5.1 FB1#6.1 FB1#7.1 FB1#8.1 FB1#9.1 FB1#10.1 FB1#11.1 FB1#12.1 FB1#13.1 FB1#14.1 FB1#15.1 FB1#16.1 FB1#17.1 FB1#18.1 FB1#19.1 FB1#20.1 FB1#21.1 FB1#22.1 FB1#23.1 FB1#24.1 FB1#25.1 FB1#26.1 FB1#27.1 FB1#28.1 FB1#29.1 FB1#30.1 FB1#31.1 FB1#32.1 U8.21 U8#2.21 U8#3.21 U8#4.21 U8#5.21 U8#6.21 U8#7.21 U8#8.21 U8#9.21 U8#10.21 U8#11.21 U8#12.21 U8#13.21 U8#14.21 U8#15.21 U8#16.21 U8#17.21 U8#18.21 U8#19.21 U8#20.21 U8#21.21 U8#22.21 U8#23.21 U8#24.21 U8#25.21 U8#26.21 U8#27.21 U8#28.21 U8#29.21 U8#30.21 U8#31.21 U8#32.21
GPS_TX: FB2.1 FB2#2.1 FB2#3.1 FB2#4.1 FB2#5.1 FB2#6.1 FB2#7.1 FB2#8.1 FB2#9.1 FB2#10.1 FB2#11.1 FB2#12.1 FB2#13.1 FB2#14.1 FB2#15.1 FB2#16.1 FB2#17.1 FB2#18.1 FB2#19.1 FB2#20.1 FB2#21.1 FB2#22.1 FB2#23.1 FB2#24.1 FB2#25.1 FB2#26.1 FB2#27.1 FB2#28.1 FB2#29.1 FB2#30.1 FB2#31.1 FB2#32.1 U8.22 U8#2.22 U8#3.22 U8#4.22 U8#5.22 U8#6.22 U8#7.22 U8#8.22 U8#9.22 U8#10.22 U8#11.22 U8#12.22 U8#13.22 U8#14.22 U8#15.22 U8#16.22 U8#17.22 U8#18.22 U8#19.22 U8#20.22 U8#21.22 U8#22.22 U8#23.22 U8#24.22 U8#25.22 U8#26.22 U8#27.22 U8#28.22 U8#29.22 U8#30.22 U8#31.22 U8#32.22
NINA_CTS: U3.21 U3#2.21 U3#3.21 U3#4.21 U3#5.21 U3#6.21 U3#7.21 U3#8.21 U3#9.21 U3#10.21 U3#11.21 U3#12.21 U3#13.21 U3#14.21 U3#15.21 U3#16.21 U3#17.21 U3#18.21 U3#19.21 U3#20.21 U3#21.21 U3#22.21 U3#23.21 U3#24.21 U3#25.21 U3#26.21 U3#27.21 U3#28.21 U3#29.21 U3#30.21 U3#31.21 U3#32.21 U8.11 U8#2.11 U8#3.11 U8#4.11 U8#5.11 U8#6.11 U8#7.11 U8#8.11 U8#9.11 U8#10.11 U8#11.11 U8#12.11 U8#13.11 U8#14.11 U8#15.11 U8#16.11 U8#17.11 U8#18.11 U8#19.11 U8#20.11 U8#21.11 U8#22.11 U8#23.11 U8#24.11 U8#25.11 U8#26.11 U8#27.11 U8#28.11 U8#29.11 U8#30.11 U8#31.11 U8#32.11
NINA_DSR: U3.17 U3#2.17 U3#3.17 U3#4.17 U3#5.17 U3#6.17 U3#7.17 U3#8.17 U3#9.17 U3#10.17 U3#11.17 U3#12.17 U3#13.17 U3#14.17 U3#15.17 U3#16.17 U3#17.17 U3#18.17 U3#19.17 U3#20.17 U3#21.17 U3#22.17 U3#23.17 U3#24.17 U3#25.17 U3#26.17 U3#27.17 U3#28.17 U3#29.17 U3#30.17 U3#31.17 U3#32.17 U8.15 U8#2.15 U8#3.15 U8#4.15 U8#5.15 U8#6.15 U8#7.15 U8#8.15 U8#9.15 U8#10.15 U8#11.15 U8#12.15 U8#13.15 U8#14.15 U8#15.15 U8#16.15 U8#17.15 U8#18.15 U8#19.15 U8#20.15 U8#21.15 U8#22.15 U8#23.15 U8#24.15 U8#25.15 U8#26.15 U8#27.15 U8#28.15 U8#29.15 U8#30.15 U8#31.15 U8#32.15
